# Altium PCB USB_HUB_VL813-wsy-2025-4-13.PcbDoc (part 2 of 2)
Units mil, origin at the board's own origin, x right, y up, seen from the top; angles counter-clockwise.
Board outline 3149.61 x 1968.5 mil, 2 copper layers (Top Layer, Bottom Layer), stack 38.627 mil thick; 99 components, 97 nets, 397 pads, 369 vias.
Unrouted connection lines stored in the file: 59.
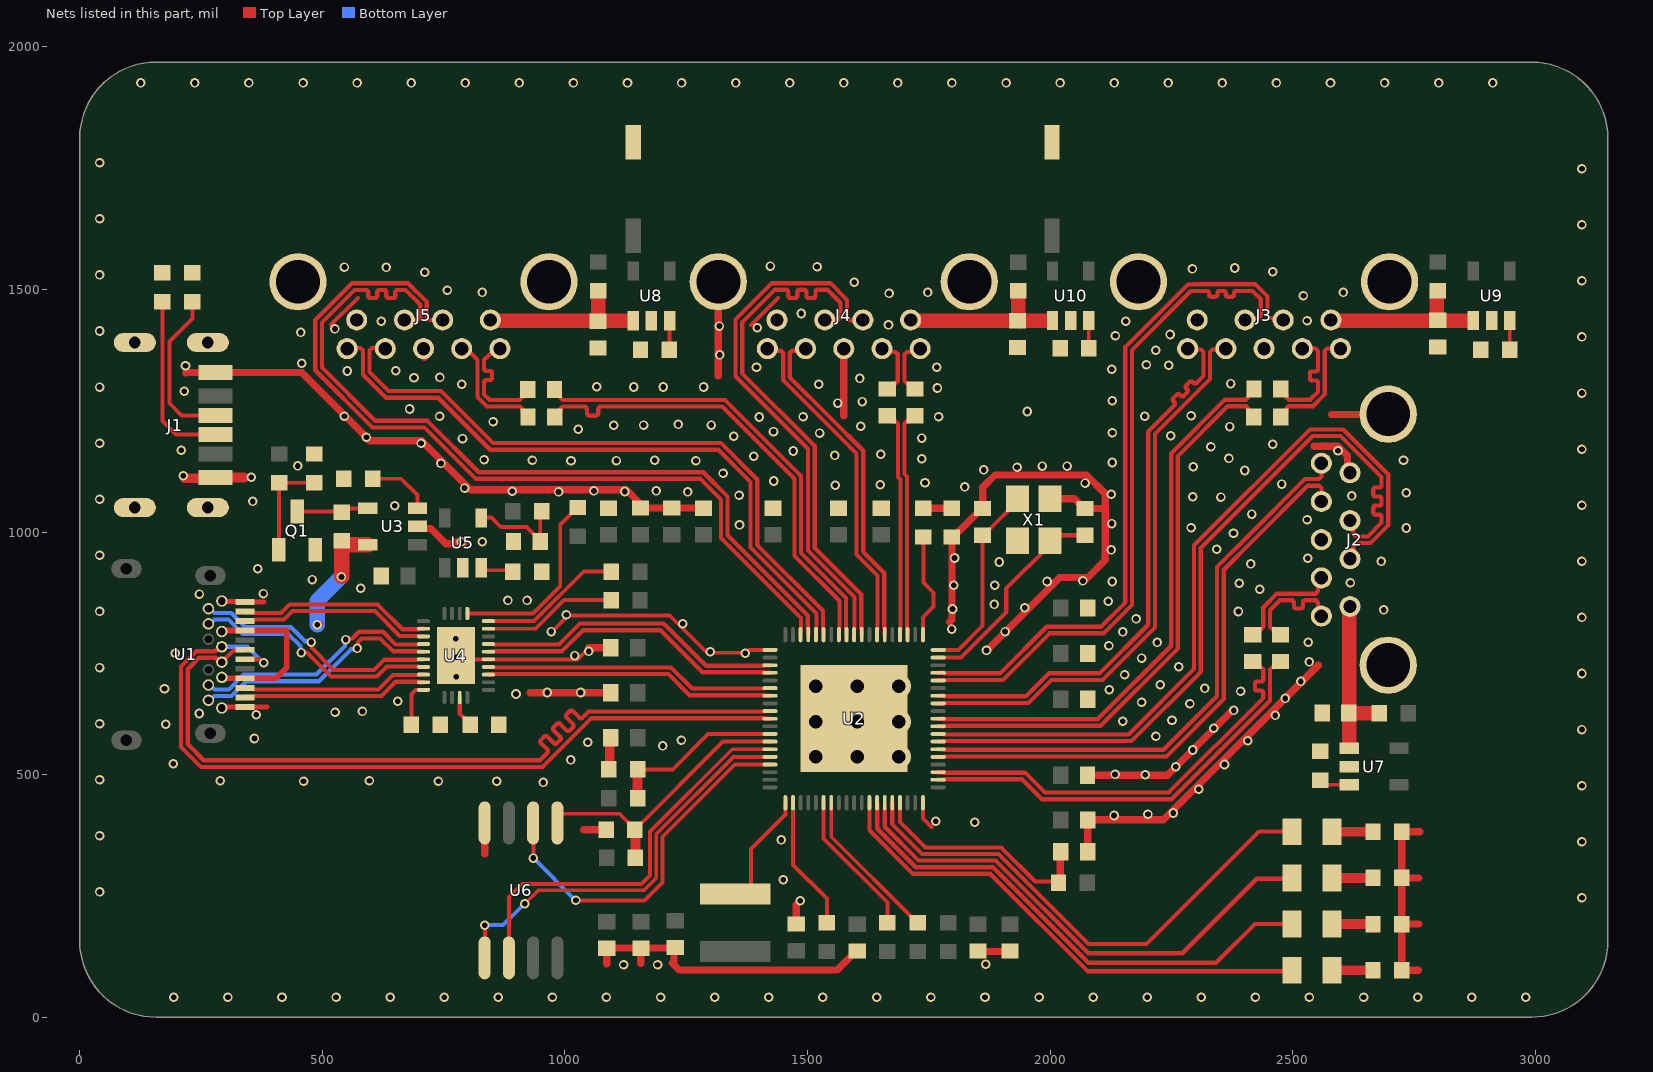
[diagram p2: the nets of this part, all layers, seen from the top]

## Via types
v1: diameter 19.68, hole 11.81, Top Layer to Bottom Layer, tented both sides, 360 vias
v2: diameter 50, hole 28, Top Layer to Bottom Layer, tented both sides, 9 vias

## Nets (pads, with @x,y where several pads share a name; then routed paths per layer and width w, separated by ;. In a path a pad name is that pad's centre, name@x,y a point inside that pad or via, vN(x,y) a via of type N, cw(c..) or ccw(c..) an arc to the next point about the centre after c; other vN are vias at no path point) (continued)
GND: C1.2 C2.1 C3.2 C4.2 C5.1 C6.2 C7.2 C8.1 C9.1 C10.1 C11.2 C15.2 C16.2 C17.2 C18.2 C19.2 C22.2 C24.2 C25.2 C26.2 C27.2 C28.2 C29.2 C30.2 C31.2 C32.2 C33.2 C34.2 C40.2 C41.2 C42.2 C43.2 C44.2 J1.0 J1.A12 J1.B12 J2.4 J2.7 J2.10 J2.11 J3.4 J3.7 J3.10 J3.11 J4.4 J4.7 J4.10 J4.11 J5.4 J5.7 J5.10 J5.11 Q1.2 R2.2 R5.2 R6.2 R7.2 R9.1 R10.2 R11.2 R13.2 R17.2 R18.2 R19.2 R20.2 R25.1 R27.1 R33.2 R34.2 R35.2 R36.2 U1.A1 U1.A12 U1.B1 U1.B12 U2.20 U2.57 U2.77 U3.2 U4.19 U4.29 U5.2 U6.4 U7.2 U8.2 U9.2 U10.2 X1.2 X1.4 | length 7038.7
  Top Layer w8: 517.32,1426.38 573.23,1482.28 ; U4.29@809.84,738.58 810.81,737.62 U4.19@842.43,737.62 1026.2,737.62 1049.98,761.4 C6.2@1094.49,761.4 ; v1@975.2,796.46 1006.3,827.56 1216.14,827.56 1292.52,751.18 1373.62,751.18 1379.48,757.04 U2.20@1422.89,757.04 ; 1383.46,1426.77 1439.37,1482.68 ; U2.57@1737.83,442.11 1737.83,409.81 1755.91,391.73
  Top Layer w10: U1.B12@287.4,857.6 288.2,856.8 339.65,856.8 U1.A1@340.55,855.9 380.1,855.9 ; U1.B1@297.2,637.3 297.2,637.36 299.21,639.37 U1.A12@340.55,639.37 386.27,639.37
  Top Layer w15: 218.11,1328.35 218.51,1328.74 J1.B12@279.92,1328.74 ; J1.B12@290.55,1326.38 292.92,1328.74 457.48,1328.74 v1(590.94,1195.28) 598.03,1188.19 702.36,1188.19 704.33,1188.19 805.63,1086.89 1126.89,1086.89 1153.94,1059.84 C40.2@1153.94,1052.76 ; U3.2@696.06,1011.42 700.37,1007.11 723.42,1007.11 754.94,975.59 769.94,975.59 772.98,978.63 793.42,978.63 v1@793.7,978.35 ; J5.7@708.66,1365.35 J5.7@708.66,1377.95 ; J5.7@710.63,1359.84 J5.7@710.63,1378.74 ; 834.6,336.66 U6.4@834.6,400.38 ; R13.2@863.86,602.9 R13.2@863.86,604.03 ; 928.42,668.6 C25.2@1094.79,668.6 ; 963.85,1086.29 964.17,1086.61 ; 1038.98,386.22 1039.31,386.56 1084.96,386.56 R5.2@1085.01,386.5 ; v1@1048.84,761.4 1094.49,761.4 C6.2@1094.79,761.4 ; 1086.09,110.37 C30.2@1086.09,141.9 1086.91,142.72 C26.2@1226.58,142.72 ; R2.2@1090.49,510.9 R2.2@1092.64,513.05 ; C44.2@1092.64,573.65 C44.2@1094.79,575.8 ; C40.2@1153.8,1049.31 C40.2@1155.77,1049.31 C15.2@1220.28,1049.31 C4.2@1285.6,1049.31 ; 1156.3,110.63 1156.3,141.54 C28.2@1156.66,141.9 ; 1221.26,111.81 1235.83,97.24 1561.44,97.24 1600.53,136.34 C32.2@1602.5,136.34 ; 1224.8,109.06 1224.8,140.95 C26.2@1226.58,142.72 ; C26.2@1227.4,143.55 C26.2@1226.58,142.72 ; 1316.14,1321.76 J4.11@1316.14,1515.75 ; C24.2@1477,192.05 1477,232.45 ; 1574.8,1239.76 J4.7@1574.8,1377.95 ; 1793.31,814.96 1793.31,815.44 1797.64,819.77 R10.2@1797.64,987.16 ; R10.2@1797.13,989.98 1797.28,989.83 R10.2@1798.41,989.83 ; R10.2@1797.64,989.64 R10.2@1797.64,987.16 ; C31.2@1851.7,135.24 C22.2@1917.4,135.24 ; C11.2@1860.9,1048.45 1858.93,1048.45 R10.2@1797.64,987.16 ; C11.2@1866.93,1054.33 1861.2,1048.61 1860.9,1048.61 1860.9,1092 1886.61,1117.72 2074.8,1117.72 2113.78,1078.74 2113.78,942.13 v1@2075.98,904.33 ; v1@1870.19,756.99 2019.24,906.04 2077.3,906.04 ; X1.2@1932.53,977.95 X1.2@1932.53,981.89 X1.2@1948.66,998.01 ; X1.4@1999.47,1058.52 X1.4@1999.47,1068.51 2050.18,1068.51 2070.23,1048.45 C3.2@2072.2,1048.45 2111.78,1048.45 ; C29.2@2077.26,500.4 2079.23,498.43 2241.73,498.43 v1@2374.6,631.29 ; C1.2@2077.3,341.1 C7.2@2077.3,406.8 2233.57,406.8 2552.36,725.59 ; C42.2@2077.3,749.43 C42.2@2077.3,751.4 ; J3.11@2166.93,1532.28 J3.11@2183.46,1515.75 ; J3.7@2435.83,1377.95 J3.7@2440.94,1377.95 ; 2544.49,1176.89 2593.06,1176.89 2612.7,1157.25 2612.7,1127.46 J2.4@2618.12,1122.04 ; J2.7@2558.95,984.25 2559,984.2 J2.7@2559.06,984.25 ; 2579.92,1242.29 2696.23,1242.29 J2.11@2696.85,1242.91 ; 2759.05,96.85 R20.2@2724.81,96.85 R19.2@2724.81,191.98 ; 2759.6,191.98 R19.2@2724.81,191.98 ; 2760.14,287.11 R18.2@2724.81,287.11 ; 2762.15,382.23 R17.2@2724.81,382.23 R18.2@2724.81,287.11 ; R19.2@2724.81,191.98 R18.2@2724.81,287.11
  Top Layer w20: v1@216.93,1111.02 278.74,1111.02 J1.A12@279.92,1112.2 339.37,1112.2 ; R11.2@746,598.77 R11.2@746,600.3 ; R13.2@862.9,600.81 R13.2@862.9,602.5 ; R2.2@1092.64,513.05 C44.2@1092.64,573.65
  Top Layer w30: R11.2@743,601.77 R11.2@743,602.9
  other v1: 194.09,41.34 305.54,41.34 416.99,41.34 528.44,41.34 639.89,41.34 751.34,41.34 862.79,41.34 974.24,41.34 1085.68,41.34 1197.13,41.34 1308.58,41.34 1420.03,41.34 1531.48,41.34 1642.93,41.34 1754.38,41.34 1865.83,41.34 1977.28,41.34 2088.72,41.34 2200.17,41.34 2311.62,41.34 2423.07,41.34 2534.52,41.34 2645.97,41.34 2757.42,41.34 2868.87,41.34 2980.31,41.34 1120.98,107.98 1191.06,108.38 1867.44,109.16 1485.04,240.16 3096.06,246.06 40.94,258.27 1450,283.07 3096.06,361.66 1445.67,365.35 40.94,373.86 1844.88,401.97 1764.17,403.94 2131.89,415.75 2201.57,418.11 2253.54,420.87 2306.3,470.08 3096.06,477.26 955.12,483.86 461.42,486.22 739.37,486.22 859.45,486.22 289.76,487.4 597.24,487.4 40.94,489.46 2196.06,499.61 2133.86,500.39 2258.66,516.14 2359.45,520.87 192.91,522.44 1011.81,530.32 2293.7,550.79 1201.57,559.06 1046.85,566.54 2407.48,569.68 1240.16,570.87 360.24,574.41 2218.11,579.13 3096.06,592.85 2337.4,595.67 177.56,603.94 40.94,605.06 2149.61,610.24 2251.18,611.81 2464.17,622.05 364.17,623.23 246.46,625.98 526.38,628.35 582.68,630.32 2378.74,632.28 2288.19,646.06 2188.58,649.21 655.51,651.18 2484.65,657.09 899.21,666.14 963.39,669.29 1032.28,669.29 2392.52,671.65 2122.05,675.2 174.8,677.17 2318.9,677.56 2226.77,685.04 2516.54,692.13 775.98,701.57 2153.54,705.91 3096.06,708.45 40.94,720.65 2264.96,722.05 2534.25,732.28 2188.58,740.16 776.38,741.73 1020.47,745.28 196.85,750.39 1371.65,750 1049.21,753.94 1299.61,753.15 1868.9,755.91 2121.26,765.75 2220.87,772.44 2532.28,772.83 775.2,779.92 971.65,794.88 1907.09,794.88 2149.61,794.09 1797.24,800 1242.91,811.02 2177.17,820.87 3096.06,824.05 1003.15,829.53 40.94,836.25 2388.19,836.22 2687.8,839.37 1798.82,841.34 1947.64,844.09 1885.04,850.79 2119.69,857.48 882.64,859.07 922,859.07 246.85,872.05 378.74,873.23 2431.89,881.89 579.13,884.25 1801.18,890.55 1885.83,890.16 2389.76,894.49 2618.9,895.67 1993.7,898.03 2127.95,898.03 2067.72,899.21 479.13,901.97 366.93,924.41 2413.39,934.25 1895.28,938.19 2682.68,939.37 3096.06,939.64 2530.71,945.67 1803.15,946.46 40.94,951.85 2125.98,962.99 2343.31,964.57 786.61,979.53 829.92,979.92 2377.95,997.64 2734.25,1008.27 2290.55,1009.06 1359.84,1014.57 2126.77,1017.32 2529.53,1025.2 2415.75,1037.01 649.21,1054.33 3096.06,1055.24 356.69,1062.99 40.94,1067.44 2294.09,1072.83 2351.97,1072.05 2621.65,1074.41 1359.06,1075.59 2125.98,1077.56 2734.25,1080.71 987.01,1082.68 1253.15,1082.68 891.34,1083.86 1123.62,1083.46 1059.84,1084.65 1188.19,1084.65 793.31,1090.55 1824.02,1092.91 1557.09,1096.46 1650,1097.64 2477.56,1098.82 2072.05,1100.79 1742.13,1101.57 1430.71,1105.12 353.54,1112.99 213.39,1116.14 1325.98,1120.87 2401.18,1126.77 1862.99,1127.95 1931.89,1133.46 2294.88,1134.65 1983.86,1135.83 2035.04,1135.83 449.21,1136.22 744.49,1141.34 2127.95,1143.31 1012.6,1146.85 1270.08,1146.85 933.07,1147.64 1106.3,1147.24 1185.04,1147.64 2728.35,1147.64 833.46,1148.82 1735.43,1151.18 2368.5,1151.57 1388.98,1155.91 1555.91,1157.87 1650.79,1160.24 1470.47,1166.93 2593.31,1167.72 209.45,1168.5 3096.06,1170.84 2331.5,1175.98 2458.66,1180.71 703.54,1182.68 40.94,1183.04 788.98,1192.52 1735.43,1193.7 1348.03,1197.24 2248.82,1198.43 1524.8,1203.94 2128.35,1204.72 1429.92,1207.09 1027.56,1211.81 1609.84,1217.72 2370.08,1217.32 1100.79,1220.08 1162.2,1220.47 1301.57,1220.47 1233.86,1221.65 851.97,1227.17 1400.79,1237.01 1490.94,1237.4 1770.08,1237.4 545.67,1238.58 741.73,1238.58 2194.88,1238.58 2290.55,1239.76 1953.15,1248.43 679.92,1253.54 1562.6,1265.75 1612.99,1268.9 2127.95,1270.47 3096.06,1286.43 215.75,1290.16 1767.72,1296.85 40.94,1298.64 1142.13,1298.82 1202.76,1298.82 1285.83,1298.82 1065.75,1299.61 787.4,1304.33 1523.23,1304.33 2372.44,1305.91 1607.48,1316.54 688.98,1317.72 742.52,1318.5 551.57,1331.89 651.18,1332.28 2126.77,1335.43 1394.88,1339.76 1766.14,1339.76 218.11,1342.52 2244.49,1343.7 2198.43,1344.49 457.48,1348.03 1319.29,1364.96 2217.72,1374.8 3096.06,1402.03 2134.65,1404.33 2247.24,1407.09 455.51,1411.42 40.94,1414.23 525.98,1418.5 1396.46,1420.87 1318.5,1424.41 1666.93,1426.77 621.26,1434.65 2155.91,1434.25 2529.53,1435.43 1487.01,1450.39 2522.05,1487.01 1668.11,1491.73 829.53,1493.7 1747.64,1493.7 2604.33,1493.7 757.87,1498.43 1596.46,1514.96 3096.06,1517.63 40.94,1529.83 711.42,1535.43 2459.06,1536.22 2293.31,1542.13 2380.31,1544.09 631.89,1545.28 545.67,1546.06 1519.69,1546.85 1423.62,1548.03 3096.06,1633.22 40.94,1645.43 3096.06,1748.82 40.94,1761.02 125.98,1925.59 237.43,1925.59 348.88,1925.59 460.33,1925.59 571.78,1925.59 683.23,1925.59 794.68,1925.59 906.13,1925.59 1017.57,1925.59 1129.02,1925.59 1240.47,1925.59 1351.92,1925.59 1463.37,1925.59 1574.82,1925.59 1686.27,1925.59 1797.72,1925.59 1909.17,1925.59 2020.61,1925.59 2132.06,1925.59 2243.51,1925.59 2354.96,1925.59 2466.41,1925.59 2577.86,1925.59 2689.31,1925.59 2800.76,1925.59 2912.2,1925.59
  other v2: 1517.32,537.01 1602.76,537.01 1688.19,537.01 1517.32,609.06 1602.76,609.06 1688.19,609.06 1517.32,681.89 1602.76,681.89 1688.19,681.89
GRN1: D1.1 U2.53 | length 1073.4
  Top Layer w8.64: U2.53@1674.83,442.11 1674.83,397.61 1736,336.44 1893.48,336.44 2078.74,151.18 2198.43,151.18 2429.13,381.89 ; 2432.68,382.68 2490.01,382.68 2498.32,374.37 D1.1@2498.32,382.23
GRN2: D2.1 U2.52 | length 1059.4
  Top Layer w8.64: U2.52@1659.09,430.68 1659.09,392.48 1728.78,322.8 1887.83,322.8 2078.74,131.89 2272.44,131.89 2425.98,285.43 2492.12,285.43 2498.32,279.24 D2.1@2498.32,287.11
GRN3: D3.1 U2.51 | length 1055.8
  Top Layer w8.64: U2.51@1643.34,442.11 1643.72,441.73 1643.72,388.56 1723.13,309.16 1882.18,309.16 2079.13,112.2 2342.13,112.2 2421.9,191.98 D3.1@2498.32,191.98
GRN4: D4.1 U2.50 | length 1048.9
  Top Layer w8.64: U2.50@1627.59,442.11 1627.59,385.41 1717.48,295.52 1876.53,295.52 2077.17,94.88 D4.1@2497.24,94.88 ; D4.1@2496.77,95.3 D4.1@2498.32,96.85
H_RX1_N: U1.B10 U4.7 | length 511.4
  Top Layer w8.64: v1(456.69,751.57) 468.27,751.57 517.72,702.11 612.17,702.11 632.98,722.92 698.44,722.92 699.49,721.87 U4.7@708.57,721.87
  Bottom Layer w8.64: U1.B10@265.35,810.62 268.97,810.62 277.9,819.55 306.63,819.55 336.03,790.14 429.67,790.14 454.99,764.83 454.99,753.27 v1(456.69,751.57)
H_RX1_P: U1.B11 U4.6 | length 511.4
  Top Layer w8.64: v1(477.52,773.15) 477.52,761.6 523.37,715.75 606.52,715.75 627.33,736.57 698.44,736.57 699.49,737.62 U4.6@708.57,737.62
  Bottom Layer w8.64: U1.B11@265.35,842.12 268.97,842.12 277.91,833.19 312.28,833.19 341.68,803.78 435.32,803.78 464.25,774.85 475.81,774.85 v1(477.52,773.15)
H_RX2_N: U1.A10 U4.8 | length 381.9
  Top Layer w8.64: U1.A10@340.55,678.74 342.14,677.15 359.29,677.15 360.73,675.71 616.07,675.71 645.43,705.07 698.44,705.07 699.49,706.12 U4.8@708.57,706.12
H_RX2_P: U1.A11 U4.9 | length 381.9
  Top Layer w8.64: U1.A11@340.55,659.05 342.14,660.63 359.29,660.63 360.73,662.07 621.72,662.07 651.08,691.43 698.44,691.43 699.49,690.38 U4.9@708.57,690.38
H_TX1_N: U1.A3 U4.3 | length 398.1
  Top Layer w8.64: U1.A3@340.55,816.53 342.14,818.11 359.29,818.11 360.73,819.55 420.96,819.55 438.41,837.01 608.49,837.01 659.59,785.91 698.44,785.91 699.49,784.86 U4.3@708.57,784.86
H_TX1_P: U1.A2 U4.2 | length 398.1
  Top Layer w8.64: U1.A2@340.55,836.22 342.14,834.63 359.29,834.63 360.73,833.19 415.31,833.19 432.76,850.65 614.14,850.65 665.23,799.55 698.44,799.55 699.49,800.61 U4.2@708.57,800.61
H_TX2_N: U1.B3 U4.4 | length 520.1
  Top Layer w8.64: v1@548.6,773.41 v1(548.6,778.4) 550.48,780.28 561.69,780.28 575.75,794.35 624.94,794.35 651.22,768.07 698.44,768.07 699.49,769.12 U4.4@708.57,769.12
  Bottom Layer w8.64: U1.B3@265.35,684.62 268.98,684.62 277.9,675.7 307.4,675.7 337.85,706.15 487.56,706.15 546.72,765.31 546.72,776.52 v1(548.6,778.4) v1@548.6,777.22
H_TX2_P: U1.B2 U4.5 | length 513.9
  Top Layer w8.64: v1(572,760.1) 573.88,761.98 573.88,773.19 581.4,780.71 619.29,780.71 645.57,754.42 698.44,754.42 699.49,753.37 U4.5@708.57,753.37
  Bottom Layer w8.64: U1.B2@265.35,653.14 268.99,653.14 277.91,662.06 313.05,662.06 343.5,692.51 493.21,692.51 558.91,758.22 570.12,758.22 v1(572,760.1)
NetC2_2: C2.2 R28.1 U5.4 | length 218.4
  Top Layer w8: U5.4@827.17,1032.28 827.17,1020.87 835.82,1029.53 848.82,1029.53 867.72,1010.63 920.86,1010.63 C2.2@949.21,982.28 ; R28.1@947.24,1041.34 949.21,1039.37 C2.2@949.21,982.28 ; C2.2@949.21,980.32 C2.2@949.21,982.28
NetC3_1: C3.1 U2.75 X1.3 | length 441
  Top Layer w8.64: U2.75@1769.29,741.29 1816.29,741.29 1909.45,834.45 1909.45,883.25 1999.47,973.26 X1.3@1999.47,981.89 2010.92,993.34 C3.1@2072.2,993.34
NetC5_2: C5.2 J2.1 R29.2 U7.1 | length 355.2
  Top Layer w30: C5.2@2615.35,631.1 C5.2@2616.8,629.66 ; U7.1@2616.8,557.13 C5.2@2616.8,629.66 ; J2.1@2618.12,846.47 2616.8,845.15 C5.2@2616.8,629.66 ; R29.2@2678.74,626.38 2620.08,626.38 C5.2@2616.8,629.66
NetC8_2: C8.2 J3.1 R30.2 U9.1 | length 353.9
  Top Layer w30: J3.1@2578.73,1437.02 2580.05,1435.7 U9.1@2869.25,1435.7 ; C8.2@2796.85,1435.83 2796.85,1496.37 2797.73,1497.24 R30.2@2798.82,1497.24
NetC9_2: C9.2 J4.1 R31.2 U10.1 | length 353.9
  Top Layer w30: J4.1@1712.59,1437.02 1713.91,1435.7 C9.2@1936.74,1435.7 ; R31.2@1934.25,1496.85 1934.25,1438.19 C9.2@1936.74,1435.7 ; C9.2@1938.19,1434.25 C9.2@1936.74,1435.7 ; U10.1@2001.73,1435.7 C9.2@1936.74,1435.7
NetC10_2: C10.2 J5.1 R32.2 U8.1 | length 356.2
  Top Layer w30: J5.1@846.45,1437.02 847.77,1435.7 C10.2@1068.9,1435.7 ; R32.2@1068.9,1497.12 C10.2@1068.9,1435.7 ; C10.2@1070.47,1433.46 1068.9,1435.04 C10.2@1068.9,1435.7 ; U8.1@1137.76,1435.7 C10.2@1068.9,1435.7
NetC11_1: C11.1 U2.76 X1.1 | length 404.8
  Top Layer w8: U2.76@1769.29,757.04 1811.16,757.04 1860.9,806.78 C11.1@1860.9,993.34 1862.87,993.34 1874.62,1005.09 1874.62,1005.33 1932.53,1063.24 X1.1@1932.53,1068.51
NetD1_2: D1.2 R17.1 | length 84.5
  Top Layer w20: D1.2@2581.02,382.23 R17.1@2665.5,382.23
NetD2_2: D2.2 R18.1 | length 84.5
  Top Layer w20: D2.2@2581.02,287.11 R18.1@2665.5,287.11
NetD3_2: D3.2 R19.1 | length 84.5
  Top Layer w20: D3.2@2581.02,191.98 R19.1@2665.5,191.98
NetD4_2: D4.2 R20.1 | length 84.5
  Top Layer w20: D4.2@2581.02,96.85 R20.1@2665.5,96.85
NetJ1_A5: J1.A5 R7.1 | length 333.3
  Top Layer w8: R7.1@224.02,1477.17 232.28,1468.9 232.28,1440.16 185.04,1392.91 185.04,1265.35 210.24,1240.16 268.11,1240.16 J1.A5@271.65,1243.7
NetJ1_B5: J1.B5 R6.1 | length 377.2
  Top Layer w8: R6.1@159.45,1479.92 160.58,1479.92 170.87,1469.64 170.87,1228.74 198.43,1201.18 279.52,1201.18 J1.B5@279.92,1200.78
NetL1_1: L1.1 U2.39 | length 259.9
  Top Layer w8: L1.1@1335.47,264.27 1386.65,264.27 1383.2,267.72 1383.2,346.7 1454.3,417.8 1454.3,442.05 U2.39@1454.36,442.11
NetQ1_1: Q1.1 R24.1 R25.2 | length 211
  Top Layer w8: Q1.1@410.63,963.39 410.63,1100 R24.1@411.02,1100.39 ; R24.1@411.02,1101.57 484.25,1101.57 R25.2@484.65,1101.18
NetQ1_3: Q1.3 R26.1 U3.4 | length 169.6
  Top Layer w8: Q1.3@448.03,1042.12 538.98,1042.12 R26.1@541.34,1039.76 ; R26.1@538.19,1044.09 542.92,1048.82 587.41,1048.82 U3.4@593.7,1048.82
  Top Layer w15: Q1.3@448.03,1042.12 Q1.3@448.03,1052.95 ; U3.4@585.06,1046.48 587.41,1048.82 U3.4@587.8,1049.21 ; U3.4@587.8,1051.18 U3.4@590.94,1051.18
NetR9_2: R9.2 U3.3 | length 138.8
  Top Layer w8: R9.2@603.67,1106.69 R9.2@603.67,1109.84 R9.2@604.06,1110.24 ; R9.2@605.12,1109.84 662.6,1109.84 696.06,1076.38 U3.3@696.06,1048.82 ; U3.3@683.86,1050.39 U3.3@686.61,1050.39
NetR10_1: R10.1 R23.2 | length 60.8
  Top Layer w8: R10.1@1797.37,1048.95 R10.1@1799.07,1047.24
  Top Layer w15: R23.2@1738.98,1048.95 R10.1@1797.37,1048.95
NetR11_1: R11.1 U4.10 | length 91.3
  Top Layer w8.64: R11.1@683.69,602.9 683.69,665.49 692.45,674.25 703.45,674.25 703.83,674.63 U4.10@708.57,674.63
NetR12_2: R12.2 U2.40 | length 270.5
  Top Layer w8: U2.40@1470.11,442.11 1470.11,314.14 1539.8,244.45 R12.2@1539.8,200.51
NetR13_1: R13.1 U4.13 | length 64.7
  Top Layer w8.64: U4.13@783.49,658.88 783.49,625.09 804.55,604.03 R13.1@804.55,602.9
NetR14_2: R14.2 U4.25 | length 392
  Top Layer w8: U4.25@799.12,832.11 934.08,832.11 990.55,888.58 990.55,1015.43 1023.54,1048.43 R14.2@1027.17,1048.43
NetR15_2: R15.2 U4.24 | length 295.4
  Top Layer w8: U4.24@842.43,816.36 936.71,816.36 1038.85,918.5 R15.2@1095.49,918.5
NetR16_2: R16.2 U4.23 | length 277.6
  Top Layer w8: U4.23@842.43,800.61 939.35,800.61 998.54,859.8 R16.2@1095.49,859.8
NetR23_1: R23.1 U2.1 | length 218.9
  Top Layer w8: U2.1@1737.83,788.51 1737.83,824.44 1759.84,846.46 1759.84,874.8 1738.98,895.67 R23.1@1738.98,989.64
NetR27_2: R27.2 U5.3 | length 67.5
  Top Layer w8: U5.3@826.38,921.26 889.47,921.26 R27.2@892.62,918.11
NetR33_1: R33.1 U7.3 | length 60.4
  Top Layer w8: R33.1@2559.06,486.22 2566.14,479.14 U7.3@2616.54,479.14
NetR34_1: R34.1 U8.3 | length 62.3
  Top Layer w8: U8.3@1215.75,1435.43 1215.75,1374.81 R34.1@1216.93,1373.62
NetR35_1: R35.1 U9.3 | length 70
  Top Layer w8: U9.3@2947.24,1435.83 2947.24,1370.87 R35.1@2950.79,1367.32
NetR36_1: R36.1 U10.3 | length 61.9
  Top Layer w8: U10.3@2079.72,1435.83 2079.72,1378.15 R36.1@2082.68,1375.2
OVCUR1: R8.2 U2.45 | length 307.7
  Top Layer w8: U2.45@1548.85,430.36 1548.85,371.98 1720.32,200.51 R8.2@1727.1,200.51
OVCUR2B: R21.2 U2.44 | length 300.2
  Top Layer w8: U2.44@1533.1,442.11 1533.1,368.47 1664.57,237.01 1664.57,203.28 R21.2@1659.7,198.41
RESET: C1.1 R3.2 U2.54 | length 484.4
  Top Layer w8.64: U2.54@1690.58,442.11 1690.58,402.33 1742.83,350.08 1899.13,350.08 1969.31,279.9 R3.2@2017.24,279.9 ; R3.2@2017.24,277.6 R3.2@2017.24,279.9 ; R3.2@2018.92,279.9 R3.2@2017.24,279.9 ; R3.2@2020.87,283.52 R3.2@2017.24,279.9 ; C1.1@2020.87,339.78 C1.1@2022.19,341.1
  Top Layer w15: R3.2@2020.87,283.52 C1.1@2020.87,339.78
SPICSn: R4.2 R5.1 U2.32 U6.1 | length 605.4
  Top Layer w8: U6.1@984.6,400.38 984.6,419.29 1112.67,419.29 1144.32,387.63 R5.1@1144.32,386.5 ; R5.1@1145.4,385.42 R5.1@1144.32,386.5 ; U2.32@1422.89,568.06 1325.88,568.06 R5.1@1144.32,386.5
  Top Layer w20: R4.2@1145.4,328.2 R5.1@1145.4,385.42
SPISCLK: U2.33 U6.6 | length 842.5
  Top Layer w8: U6.6@884.6,122.42 884.6,247.59 911.81,274.8 1157.48,274.8 1175.17,292.5 1175.17,382.69 1344.8,552.32 U2.33@1422.89,552.32
SPISI: U2.34 U6.5 | length 851.9
  Top Layer w8: U6.5@834.6,122.42 835.04,122.86 v1(835.04,189.76) ; v1(917.32,233.86) 945.27,261.8 1162.86,261.8 1188.17,287.11 1188.17,377.3 1347.44,536.57 U2.34@1422.89,536.57
  Bottom Layer w8: v1(835.04,189.76) 872.44,189.76 916.54,233.86 v1(917.32,233.86)
SPISO: U2.35 U6.2 | length 767.5
  Top Layer w8: U6.2@934.6,400.38 935.04,399.94 v1(935.04,327.95) ; v1(1022.83,240.94) 1164.17,240.94 1201.17,277.94 1201.17,371.92 1350.07,520.82 U2.35@1422.89,520.82
  Bottom Layer w8: v1(935.04,327.95) 1022.05,240.94 v1(1022.83,240.94)
SSRX0_N: U2.25 U4.18 | length 599.4
  Top Layer w8.64: U4.18@842.43,721.87 851.5,721.87 852.56,720.81 1218.89,720.81 1262.45,677.24 1410.79,677.24 1411.85,678.3 U2.25@1422.89,678.3
SSRX0_P: U2.26 U4.17 | length 599.4
  Top Layer w8.64: U4.17@842.43,706.12 851.5,706.12 852.56,707.17 1213.24,707.17 1256.81,663.61 1410.79,663.61 1411.85,662.55 U2.26@1422.89,662.55
SSRX1_N: J2.5 U2.63 | length 1207.6
  Top Layer w8.64: U2.63@1769.29,552.32 1780.34,552.32 1781.39,551.26 2233.94,551.26 2344.14,661.46 2344.14,928 2411.37,995.23 2525.32,1109.18 2554.39,1109.18 2559.45,1114.24 2559.45,1141.34 J2.5@2559.06,1141.73
SSRX1_P: J2.6 U2.62 | length 1207.6
  Top Layer w8.64: U2.62@1769.29,536.57 1780.34,536.57 1781.39,537.62 2239.59,537.62 2357.78,655.81 2357.78,922.35 2417.02,981.59 2530.97,1095.54 2554.39,1095.54 2559.45,1090.48 2559.45,1063.39 J2.6@2559.06,1062.99
SSRX2_N: J3.5 U2.70 | length 1170
  Top Layer w8.64: U2.70@1769.29,662.55 1780.34,662.55 1781.39,661.49 1949.99,661.49 1997.24,708.74 2102.05,708.74 2202.3,808.99 2202.3,1207.54 2252.7,1257.93 2255.99,1261.23 ccw(c2252.7,1264.52) 2255.99,1267.82 2254.28,1269.53 cw(c2257.57,1272.83) 2254.28,1276.12 2260.87,1282.71 cw(c2264.16,1279.42) 2267.46,1282.71 2269.17,1281 ccw(c2272.47,1284.3) 2275.76,1281 2282.35,1287.59 ccw(c2279.06,1290.89) 2282.35,1294.18 2280.64,1295.89 cw(c2283.93,1299.19) 2280.64,1302.48 2287.23,1309.07 cw(c2290.53,1305.78) 2293.82,1309.07 2295.53,1307.36 ccw(c2298.83,1310.66) 2302.12,1307.36 2302.7,1307.93 2316.01,1321.25 2316.01,1370.92 2310.95,1375.98 2285.43,1375.98 J3.5@2283.46,1377.95
SSRX2_P: J3.6 U2.69 | length 1161.6
  Top Layer w8.64: U2.69@1769.29,646.8 1780.34,646.8 1781.39,647.86 1955.64,647.86 2002.89,695.11 2107.7,695.11 2215.94,803.34 2215.94,1201.89 2329.65,1315.6 2329.65,1370.92 2334.72,1375.98 2360.24,1375.98 J3.6@2362.2,1377.95
SSRX3_N: J4.5 U2.7 | length 697.5
  Top Layer w8.64: J4.5@1417.32,1377.95 1421.65,1373.62 1444.81,1373.62 1449.87,1368.56 1449.87,1313.12 1601.18,1161.81 1601.18,953.54 1644.39,910.33 1644.39,800.61 1643.34,799.55 U2.7@1643.34,788.51
SSRX3_P: J4.6 U2.6 | length 693.5
  Top Layer w8.64: J4.6@1496.06,1377.95 1491.73,1373.62 1468.57,1373.62 1463.51,1368.56 1463.51,1318.77 1544.49,1237.79 ; 1547.3,1234.98 1614.82,1167.46 1614.82,959.19 1658.03,915.98 1658.03,800.61 1659.08,799.55 U2.6@1659.08,788.51
SSRX4_N: J5.5 U2.15 | length 1346.9
  Top Layer w8.64: J5.5@551.18,1377.95 552.36,1379.13 578.67,1379.13 583.73,1374.07 583.73,1324.07 631.1,1276.7 739.05,1276.7 846.13,1169.62 1316.18,1169.62 1382.68,1103.12 1382.68,967.88 1518.4,832.15 1518.4,800.61 1517.35,799.56 U2.15@1517.35,788.51
SSRX4_P: J5.6 U2.14 | length 1346.9
  Top Layer w8.64: J5.6@629.92,1377.95 628.74,1379.13 602.43,1379.13 597.37,1374.07 597.37,1329.72 636.75,1290.34 744.7,1290.34 851.78,1183.26 1321.83,1183.26 1396.32,1108.77 1396.32,973.53 1532.05,837.8 1532.05,800.61 1533.1,799.56 U2.14@1533.1,788.51
SSTX0_N: U2.22 U4.21 | length 635.2
  Top Layer w8.64: U4.21@842.43,769.12 851.5,769.12 852.56,768.06 988.18,768.06 1031.39,811.28 1203.05,811.28 1205.66,808.66 1206.86,808.66 1291.03,724.49 1410.8,724.49 1411.85,725.54 U2.22@1422.89,725.54
SSTX0_P: U2.23 U4.20 | length 635.2
  Top Layer w8.64: U4.20@842.43,753.37 851.5,753.37 852.56,754.42 993.83,754.42 1037.04,797.64 1197.4,797.64 1249.19,745.85 1284.19,710.85 1410.8,710.85 1411.85,709.8 U2.23@1422.89,709.8
SSTX1_N: C13.1 U2.60 | length 882.3
  Top Layer w8.64: U2.60@1769.29,505.07 1780.34,505.07 1781.39,504.01 1947.93,504.01 1989.1,462.85 2244.35,462.85 2439.39,657.89 2439.39,663.78 2439.39,668.44 ccw(c2434.73,668.44) 2434.73,673.1 2426.7,673.1 cw(c2426.7,677.76) 2422.04,677.76 2422.04,687.08 cw(c2426.7,687.08) 2426.7,691.74 2434.73,691.74 ccw(c2434.73,696.4) 2439.39,696.4 2439.39,705.51 2439.39,716.56 2434.33,721.62 2429.13,721.62 C13.1@2417.7,733.05
SSTX1_P: C12.1 U2.59 | length 878.2
  Top Layer w8.64: U2.59@1769.29,489.32 1780.34,489.32 1781.39,490.38 1942.28,490.38 1983.45,449.21 2250,449.21 2453.03,652.24 2453.03,716.6 2458.09,721.66 2463.27,721.66 C12.1@2474.7,733.09
SSTX1_R_N: C13.2 J2.8 | length 225.5
  Top Layer w8.64: C13.2@2417.7,788.15 2429.13,799.58 2434.31,799.58 2439.37,804.64 2439.37,844.49 2467.84,872.96 2547.36,872.96 2552.42,878.02 2552.42,898.88 J2.8@2559.06,905.51
SSTX1_R_P: C12.2 J2.9 | length 228.5
  Top Layer w8.64: C12.2@2474.7,788.2 2463.27,799.63 2458.07,799.63 2453.01,804.69 2453.01,838.84 2473.49,859.32 2474.41,859.32 2483.73,859.32 2497.71,859.32 cw(c2497.71,854.66) 2502.37,854.66 2502.37,847.17 ccw(c2507.03,847.17) 2507.03,842.51 2516.35,842.51 ccw(c2516.35,847.17) 2521.01,847.17 2521.01,854.66 cw(c2525.67,854.66) 2525.67,859.32 2539.65,859.32 2541.73,859.32 2547.36,859.32 2552.42,854.26 2552.42,833.41 J2.9@2559.06,826.77
SSTX2_N: C35.1 U2.67 | length 1168.6
  Top Layer w8.64: U2.67@1769.29,615.31 1780.34,615.31 1781.39,614.26 2098.15,614.26 2249.58,765.68 2249.58,1162.07 2360.3,1272.79 2403.56,1272.79 2408.62,1277.85 2408.62,1283.47 C35.1@2420.05,1294.9
SSTX2_P: C14.1 U2.66 | length 1168.6
  Top Layer w8.64: U2.66@1769.29,599.56 1780.34,599.56 1781.39,600.61 2103.8,600.61 2263.22,760.03 2263.22,1156.42 2365.95,1259.15 2403.46,1259.15 2408.52,1254.09 2408.52,1248.43 C14.1@2419.94,1237
SSTX2_R_N: C35.2 J3.8 | length 240.6
  Top Layer w8.64: C35.2@2475.15,1294.9 2486.58,1283.47 2486.58,1277.81 2491.64,1272.75 2536.14,1272.75 2552.23,1288.85 2552.23,1292.13 2552.23,1293.82 2552.23,1307.8 ccw(c2547.57,1307.8) 2547.57,1312.46 2540.08,1312.46 cw(c2540.08,1317.12) 2535.42,1317.12 2535.42,1326.44 cw(c2540.08,1326.44) 2540.08,1331.1 2547.57,1331.1 ccw(c2547.57,1335.76) 2552.23,1335.76 2552.23,1349.74 2552.23,1359.06 2552.23,1372.89 2547.17,1377.95 J3.8@2519.68,1377.95
SSTX2_R_P: C14.2 J3.9 | length 237.6
  Top Layer w8.64: C14.2@2475.06,1237 2486.48,1248.43 2486.48,1254.05 2491.54,1259.11 2541.79,1259.11 2565.87,1283.2 2565.87,1372.89 2570.94,1377.95 J3.9@2598.42,1377.95
SSTX3_N: C37.1 U2.4 | length 466.1
  Top Layer w8.64: C37.1@1664.17,1239.55 1675.6,1228.12 1681.15,1228.12 1686.21,1223.06 1686.21,1113.79 1691.48,1108.52 1691.48,878.92 1691.64,878.76 1691.64,800.61 1690.58,799.56 U2.4@1690.58,788.51
SSTX3_P: C36.1 U2.3 | length 466.3
  Top Layer w8.64: U2.3@1706.33,788.51 1706.33,799.56 1705.27,800.61 1705.27,884.41 1705.12,884.57 1705.12,1114.17 1699.85,1119.44 1699.85,1223.36 1704.91,1228.42 1710.34,1228.42 C36.1@1721.77,1239.84
SSTX3_R_N: C37.2 J4.8 | length 121.3
  Top Layer w8.64: J4.8@1653.54,1377.95 1660.18,1371.32 1681.03,1371.32 1686.09,1366.26 1686.09,1329.32 ; C37.2@1664.17,1294.65 1675.6,1306.08 1681.03,1306.08 1686.09,1311.14 1686.09,1329.31
SSTX3_R_P: C36.2 J4.9 | length 121.6
  Top Layer w8.64: 1699.73,1323.66 1699.73,1311.44 1704.79,1306.38 1710.34,1306.38 C36.2@1721.77,1294.95 ; 1699.73,1323.67 1699.73,1366.26 1704.79,1371.32 1725.65,1371.32 J4.9@1732.28,1377.95 ; C36.2@1722.16,1295.35 C36.2@1722.56,1294.95
SSTX4_N: C39.1 U2.12 | length 955.9
  Top Layer w8.64: C39.1@978.95,1237 990.38,1248.43 990.38,1253.67 995.44,1258.73 1009.84,1258.73 1021.66,1258.73 1039.39,1258.73 cw(c1039.39,1252.82) 1045.3,1252.82 1045.3,1245.66 ccw(c1051.21,1245.66) 1051.21,1239.75 1063.03,1239.75 ccw(c1063.03,1245.66) 1068.94,1245.66 1068.94,1252.82 cw(c1074.85,1252.82) 1074.85,1258.73 1086.61,1258.73 1324.37,1258.73 1473.23,1109.87 1473.23,950.87 1565.65,858.45 1565.65,800.61 1564.6,799.56 U2.12@1564.6,788.51
SSTX4_P: C38.1 U2.11 | length 951
  Top Layer w8.64: C38.1@978.45,1293.9 989.88,1282.47 989.88,1277.43 994.94,1272.37 1330.02,1272.37 1486.87,1115.52 1486.87,956.52 1579.29,864.1 1579.29,800.61 1580.34,799.56 U2.11@1580.34,788.51
SSTX4_R_N: C39.2 J5.8 | length 242.9
  Top Layer w8.64: J5.8@787.4,1377.95 796.78,1377.95 813.51,1361.23 813.84,1361.23 819.95,1355.12 819.95,1278.08 839.51,1258.53 907.36,1258.53 912.42,1253.47 912.42,1248.43 C39.2@923.85,1237
SSTX4_R_P: C38.2 J5.9 | length 244.9
  Top Layer w8.64: J5.9@866.14,1377.95 856.76,1377.95 838.07,1359.26 837.73,1359.26 833.59,1355.12 833.59,1347.64 833.59,1336.69 ccw(c838.25,1336.69) 838.25,1332.03 845.35,1332.03 cw(c845.35,1327.37) 850.01,1327.37 850.01,1318.05 cw(c845.35,1318.05) 845.35,1313.39 838.25,1313.39 ccw(c838.25,1308.73) 833.59,1308.73 833.59,1294.75 833.59,1285.43 833.59,1283.73 845.16,1272.17 906.86,1272.17 911.92,1277.23 911.92,1282.47 C38.2@923.35,1293.9
USBDP_N: U1.A7 U1.B7 U2.29 | length 1680.8
  Top Layer w8.64: U1.B7@292.92,763.38 289.3,763.38 280.36,754.45 240.65,754.45 209.06,722.86 209.06,557.09 250.14,516 954.19,516 1054.55,616.36 1410.8,616.36 1411.85,615.31 U2.29@1422.89,615.31 ; U1.A7@340.55,737.79 371.6,737.8 v1(379.1,730.3)
  Bottom Layer w8.64: U1.B7@292.92,763.38 346.02,763.38 v1(379.1,730.3)
USBDP_P: U1.A6 U1.B6 U2.28 | length 1696.2
  Top Layer w8.64: U1.A6@340.55,757.48 338.97,755.89 316.93,755.89 U1.B6@292.92,731.88 289.29,731.88 280.36,740.81 246.3,740.81 222.7,717.21 222.7,562.74 255.79,529.64 948.54,529.64 960.63,541.73 963.92,545.03 ccw(c960.63,548.32) 963.92,551.62 950.74,564.81 cw(c954.03,568.1) 950.74,571.4 957.33,577.99 cw(c960.62,574.69) 963.92,577.99 977.11,564.8 ccw(c980.4,568.09) 983.7,564.8 990.29,571.39 ccw(c986.99,574.68) 990.29,577.98 977.1,591.17 cw(c980.39,594.46) 977.1,597.76 983.69,604.35 cw(c986.98,601.05) 990.28,604.35 1003.47,591.16 ccw(c1006.76,594.45) 1010.06,591.16 1016.65,597.75 ccw(c1013.35,601.04) 1016.65,604.34 1003.46,617.53 cw(c1006.75,620.82) 1003.46,624.12 1010.05,630.71 cw(c1013.34,627.41) 1016.64,630.71 1029.83,617.52 ccw(c1033.12,620.81) 1036.42,617.52 1042.13,623.23 1048.9,630 1410.8,630 1411.85,631.05 U2.28@1422.89,631.05
USBHP1_N: J2.2 U2.65 | length 1600.8
  Top Layer w8.64: U2.65@1769.29,583.81 1780.34,583.81 1781.39,582.76 2162.07,582.76 2296.86,717.55 2296.86,972.68 2535.72,1211.54 2604.21,1211.54 2696.71,1119.04 2696.71,1013.64 2660.5,977.43 2629.81,977.43 2624.75,972.37 2624.75,951.51 J2.2@2618.12,944.88
USBHP1_P: J2.3 U2.64 | length 1607.2
  Top Layer w8.64: U2.64@1769.29,568.06 1780.34,568.06 1781.39,569.11 2167.72,569.11 2310.5,711.9 2310.5,967.03 2541.37,1197.9 2598.56,1197.9 2683.07,1113.39 2683.07,1096.46 2683.07,1096.28 cw(c2678.41,1096.28) 2678.41,1091.62 2670.79,1091.62 ccw(c2670.79,1086.96) 2666.13,1086.96 2666.13,1077.64 ccw(c2670.79,1077.64) 2670.79,1072.98 2678.41,1072.98 cw(c2678.41,1068.32) 2683.07,1068.32 2683.07,1059 cw(c2678.41,1059) 2678.41,1054.34 2670.79,1054.34 ccw(c2670.79,1049.68) 2666.13,1049.68 2666.13,1040.36 ccw(c2670.79,1040.36) 2670.79,1035.7 2678.41,1035.7 cw(c2678.41,1031.04) 2683.07,1031.04 2683.07,1026.38 2683.07,1019.29 2654.85,991.07 2630.08,991.07 2624.75,996.4 2624.75,1016.99 J2.3@2618.12,1023.62
USBHP2_N: J3.2 U2.73 | length 1403.7
  Top Layer w8.64: U2.73@1769.29,709.8 1780.34,709.8 1781.39,708.74 1896.92,708.74 1993.01,804.84 2104.75,804.84 2155.02,855.11 2155.02,1331 ; 2155.02,1332.42 2155.02,1381 2284.21,1510.19 2295.53,1510.19 2295.83,1510.49 2422.97,1510.49 2447.76,1485.7 2447.76,1446.26 2452.83,1441.19 2476.14,1441.19 J3.2@2480.31,1437.02
USBHP2_P: J3.3 U2.72 | length 1415
  Top Layer w8.64: U2.72@1769.29,694.05 1780.34,694.05 1781.39,695.11 1902.57,695.11 1998.66,791.2 2110.4,791.2 2168.66,849.46 2168.66,1375.35 2289.86,1496.55 2301.18,1496.55 2301.48,1496.85 2310.12,1496.85 2323.08,1496.85 cw(c2323.08,1492.53) 2327.4,1492.53 2327.4,1489.35 ccw(c2331.72,1489.35) 2331.72,1485.03 2340.36,1485.03 ccw(c2340.36,1489.35) 2344.68,1489.35 2344.68,1492.53 cw(c2349,1492.53) 2349,1496.85 2357.64,1496.85 cw(c2357.64,1492.53) 2361.96,1492.53 2361.96,1489.35 ccw(c2366.28,1489.35) 2366.28,1485.03 2374.92,1485.03 ccw(c2374.92,1489.35) 2379.24,1489.35 2379.24,1492.53 cw(c2383.56,1492.53) 2383.56,1496.85 2388.98,1496.85 2417.32,1496.85 2434.12,1480.05 2434.12,1446.26 2429.06,1441.19 2405.75,1441.19 J3.3@2401.57,1437.02
USBHP3_N: J4.2 U2.10 | length 1098.1
  Top Layer w8.64: U2.10@1596.09,788.51 1596.09,799.56 1597.15,800.61 1597.15,865.85 1501.32,961.67 1501.32,1171.52 1351.71,1321.13 1351.71,1437.8 1426.75,1512.84 1547,1512.84 1581.62,1478.22 1581.62,1441.68 1586.68,1436.61 1613.77,1436.61 J4.2@1614.17,1437.02
USBHP3_P: J4.3 U2.9 | length 1104.6
  Top Layer w8.64: J4.3@1535.43,1437.02 1535.84,1436.61 1562.92,1436.61 1567.98,1441.68 1567.98,1472.57 1541.35,1499.2 1537.01,1499.2 1534.92,1499.2 1520.94,1499.2 ccw(c1520.94,1494.54) 1516.28,1494.54 1516.28,1486.93 cw(c1511.62,1486.93) 1511.62,1482.27 1502.3,1482.27 cw(c1502.3,1486.93) 1497.64,1486.93 1497.64,1494.54 ccw(c1492.98,1494.54) 1492.98,1499.2 1483.66,1499.2 ccw(c1483.66,1494.54) 1479,1494.54 1479,1486.93 cw(c1474.34,1486.93) 1474.34,1482.27 1465.02,1482.27 cw(c1465.02,1486.93) 1460.36,1486.93 1460.36,1494.54 ccw(c1455.7,1494.54) 1455.7,1499.2 1441.72,1499.2 1432.4,1499.2 1431.1,1497.9 1365.35,1432.15 1365.35,1326.78 1514.96,1177.17 1514.96,967.32 1610.78,871.5 1610.78,800.61 1611.84,799.56 U2.9@1611.84,788.51
USBHP4_N: J5.2 U2.17 | length 1741.7
  Top Layer w8.64: J5.2@748.03,1437.02 720.54,1437.01 715.48,1442.07 715.48,1474.28 677.21,1512.56 673.14,1512.56 673.1,1512.6 561.03,1512.6 485.57,1437.14 485.57,1333.33 603.41,1215.49 710.89,1215.49 816.79,1109.59 1279.39,1109.59 1321.79,1067.18 1321.79,987.66 1486.91,822.54 1486.91,800.61 1485.86,799.55 U2.17@1485.86,788.51
USBHP4_P: J5.3 U2.16 | length 1747
  Top Layer w8.64: J5.3@669.29,1437.02 696.78,1437.01 701.84,1442.07 701.84,1468.63 671.56,1498.92 666.54,1498.92 655.17,1498.92 ccw(c655.17,1494.26) 650.51,1494.26 650.51,1486.93 cw(c645.85,1486.93) 645.85,1482.27 636.53,1482.27 cw(c636.53,1486.93) 631.87,1486.93 631.87,1494.26 ccw(c627.21,1494.26) 627.21,1498.92 617.89,1498.92 ccw(c617.89,1494.26) 613.23,1494.26 613.23,1486.93 cw(c608.57,1486.93) 608.57,1482.27 599.25,1482.27 cw(c599.25,1486.93) 594.59,1486.93 594.59,1494.26 ccw(c589.93,1494.26) 589.93,1498.92 575.95,1498.92 566.63,1498.92 499.21,1431.49 499.21,1338.98 609.05,1229.13 716.54,1229.13 822.44,1123.23 1285.04,1123.23 1335.43,1072.83 1335.43,993.31 1500.55,828.19 1500.55,800.61 1501.6,799.55 U2.16@1501.6,788.51
VBUS: R26.2 U1.A4 U1.A9 U1.B4 U1.B9 U3.5 | length 608.7
  Top Layer w8: R26.2@534.65,975.98 R26.2@536.61,974.02 ; R26.2@537.4,979.01 R26.2@540.16,981.76
  Top Layer w11.81: U1.B4@292.92,700.39 294.89,698.42 U1.A9@340.55,698.42 404.55,698.42 426.77,720.64 426.77,796.85 U1.A4@340.55,796.85 294.9,796.85 U1.B9@292.92,794.86 ; v1(489.37,809.06) 490.88,810.56 496.06,810.56 v1@496.25,810.75
  Top Layer w31.5: v1@540.16,908.27 540.16,974.41 540.55,974.02 U3.5@593.7,974.02
  Bottom Layer w31.5: v1(489.37,809.06) 489.37,857.87 v1@539.57,908.07
  other v1: 539.37,907.48
VBUSDET: R1.2 R2.1 U2.31 | length 358.3
  Top Layer w8: R2.1@1154.76,510.9 1222.32,510.9 1295.23,583.81 U2.31@1422.89,583.81
  Top Layer w20: R1.2@1149.8,450.9 R2.1@1149.8,510.9
pads on no net: U1.1 U1.2 U1.3 U1.4 U1.A8 U1.B8 U2.21 U2.42 U2.43 U2.46 U2.55 U2.56 U4.11 U4.12 U4.14 U4.15 U4.16 U4.22

## Polygon pours and split planes (outlines as drawn)
GND on Top Layer "GND_L01_P030" (solid, remove dead copper, pour order 30): 0,1968.5 3149.61,1968.5 3149.61,0 0,0
VBUS on Top Layer "VBUS_L01_P002" (solid, remove dead copper, pour order 2): 320.1,800.9 320.1,837.39 619,837.39 619,674.01 320.1,674.01 320.1,689.6
1V2 on Top Layer "1V2_L01_P016" (solid, remove dead copper, pour order 16): 1740.35,490.36 1753.54,477.17 1921.26,477.17 1986.61,411.81 1986.61,400 1980.32,393.7 1970.87,393.7 1909.84,454.72 1751.97,454.72 1736.61,470.08
3V3 on Top Layer "3V3_L01_P006" (solid, remove dead copper, pour order 6): 1200.65,1010.09 1299.3,1010.4 1299.3,1008.6 1303.26,1004.64 1303.19,990.91 1475.5,818.59 1475.5,802.8 1471,793 1471,799.7 1464.3,799.7 1464.3,805.4 1459.4,810.3 1446.7,810.3 1363.2,810.3 1214.4,959.1 1212.2,961.3 1200.3,973.2
5V0 on Top Layer "Top Layer-5V0" (solid, pour order 20): 676.64,985.43 719.29,985.43 763.78,940.94 763.78,890.55 661.81,890.55 661.81,963.19
5V0 on Top Layer "5V0_L01_P004" (solid, remove dead copper, pour order 4): 1350.9,805.99 1454.9,805.99 1461.1,799.79 1461.1,778.59 1455,772.49 1312.55,772.49 1244.65,840.39 1152.9,840.39 1139.2,854.09 1139.2,1001.49 1147.3,1009.59 1150.1,1009.59 1178.3,1009.59 1185.9,1001.99 1185.9,970.99
no net on Top Layer "NONET_L01_P018" (solid, remove dead copper, pour order 18): 125.59,1968.11
5V0 on Top Layer "5V0_L01_P012" (solid, remove dead copper, pour order 12): 1434.46,477.56 1258.3,301.4 1258.3,196.49 1244.81,183 1207.7,183 1207.7,214.3 1228.2,234.8 1228.2,353.84 1353.75,477.56
NetL1_1 on Top Layer "NETL1_1_L01_P008" (solid, remove dead copper, pour order 8): 1459.7,457.3 1459.7,417.92 1422.8,380.27 1422.8,276.1 1422.8,237.1 1301.3,237.1 1277.4,261 1279.4,263 1279.4,300.3 1436.4,457.3
no net on Top Layer "Top Layer-No Net" (solid, pour order 0): 347.47,316.55
GND on Bottom Layer "GND_L02_P028" (solid, remove dead copper, pour order 28): 25.98,2076.38 3125.98,2076.38 3324.02,1878.35 3324.02,-192.91 -7.87,-192.91 -134.65,-66.14 -105.12,-36.61 -105.12,1890.94

## Keep-outs
Keep-Out Layer:
  the board outline again, w7.87

## Silkscreen, mask and mechanical layers (free items; w line width, h text height)
Top Overlay:
  text "厂家丝印请放背面或这座子下面" at 1154.72,2031.1 h70
  text "PWR" at 354.33,1405.91 h100 r270
  text "P4" at 509.06,1316.93 h100 r180
  text "P3" at 1374.72,1316.93 h100 r180
  text "P2" at 2240.94,1316.93 h100 r180
  text "P1" at 2499.61,962.6 h100 r90
  text "DATA" at 398.03,696.46 h100 r270
  text "USB3.0-HUB" at 724.94,423.62 h110 r180
  text "P1" at 2444.09,417.32 h100 r180
  text "P2" at 2444.09,321.52 h100 r180
  text "P3" at 2444.09,225.72 h100 r180
  text "P4" at 2444.09,129.92 h100 r180
Mechanical 1:
  circle w3.94: c157.48,1811.02 r59.06
  circle w3.94: c2992.13,1811.02 r59.06
  circle w3.94: c2992.13,157.48 r59.06
  circle w3.94: c157.48,157.48 r59.06
  lines w3.94: 0,157.48 ccw(c157.48,157.48) 157.48,0 2992.13,0 ccw(c2992.13,157.48) 3149.61,157.48 3149.61,1811.02 ccw(c2992.13,1811.02) 2992.13,1968.5 157.48,1968.5 ccw(c157.48,1811.02) 0,1811.02 0,157.48

## Dimensions
2992.13,1968.5 to 2992.13,0 on Mechanical 1
0,1811.02 to 3149.61,1811.02 on Mechanical 1